# Altium PCB Spectre-Analyzer.PcbDoc (part 2 of 2)
Units mm, origin at the board's own origin, x right, y up, seen from the top; angles counter-clockwise.
Board outline 60 x 40 mm, 4 copper layers (Top Layer, Inner Layer 1, Inner Layer 2, Bottom Layer), stack 1.59 mm thick; 127 components, 98 nets, 407 pads, 193 vias.
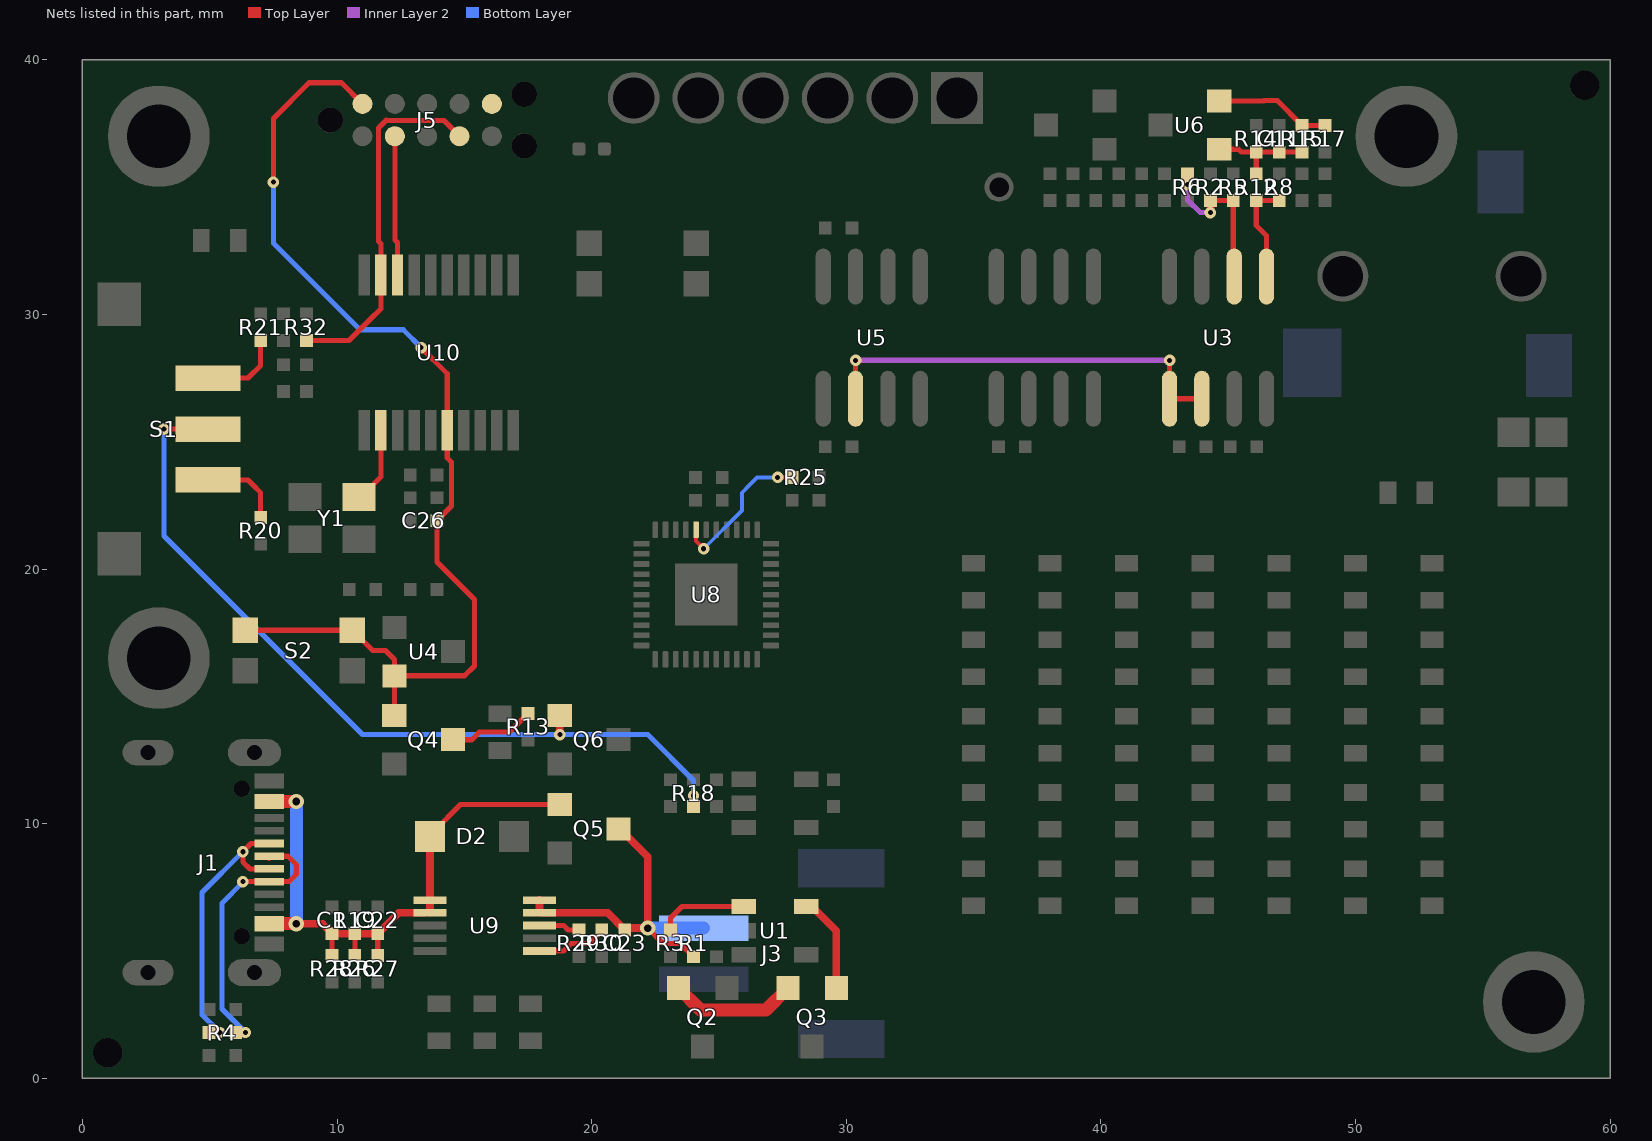
[diagram p4: the nets of this part, all layers, seen from the top]

## Via types
v1: diameter 0.45, hole 0.2, Top Layer to Bottom Layer, tented both sides, 184 vias
v2: diameter 0.6, hole 0.3, Top Layer to Bottom Layer, tented both sides, 9 vias

## Nets (pads, with @x,y where several pads share a name; then routed paths per layer and width w, separated by ;. In a path a pad name is that pad's centre, name@x,y a point inside that pad or via, vN(x,y) a via of type N, cw(c..) or ccw(c..) an arc to the next point about the centre after c; other vN are vias at no path point) (continued)
NetQ3_1: Q3.1 U1.5 | length 3.7
  Top Layer w0.305: U1.5@28.6,6.8 29.609,5.791 Q3.1@29.609,3.545
NetQ4_2: Q4.2 R13.2 | length 3.4
  Top Layer w0.203: Q4.2@14.55,13.3 15.3,13.3 15.6,13.6 16.775,13.6 R13.2@17.5,14.325
NetQ6_1: Q6.1 R18.1 S1.2 | length 31.7
  Top Layer w0.203: v1(3.2,25.5) S1.2@4.3,25.5
  Top Layer w0.305: v1(18.75,13.5) 18.75,14.05 Q6.1@18.8,14.1 ; R18.1@24,10.7 v1(24,11.1)
  Bottom Layer w0.203: v1(3.2,25.5) 3.2,21.3 11,13.5 v1(18.75,13.5) 22.2,13.5 24,11.7 v1(24,11.1)
NetR2_2: R2.2 R5.2 R6.1 U3.6 | length 5.5
  Top Layer w0.203: R2.2@44.3,34.475 R5.2@45.175,34.475 ; U3.6@45.2,32 R5.2@45.2,34.475
  Top Layer w0.305: v1(44.3,34) R2.2@44.3,34.4
  Inner Layer 2 w0.203: v1(43.4,35.1) 43.4,34.5 43.9,34 v1(44.3,34)
NetR3_1: R3.1 U1.1 | length 3.7
  Top Layer w0.203: R3.1@23.1,5.7 R3.1@23.1,5.825 23.1,6.3 23.55,6.75 U1.1@25.975,6.75
NetR8_2: R8.2 R12.2 U3.5 | length 4.1
  Top Layer w0.203: U3.5@46.505,31.49 46.505,33.095 46.1,33.5 R12.2@46.1,34.475 46.975,34.475 R8.2@47,34.5
NetR15_2: R15.2 R17.1 U6.2 | length 4.6
  Top Layer w0.203: U6.2@44.645,38.391 46.4,38.391 ; 46.4,38.4 46.925,38.4 R15.2@47.9,37.425 48.775,37.425 R17.1@48.8,37.4
NetR20_1: R20.1 S1.1 | length 3.3
  Top Layer w0.203: S1.1@4.925,23.5 6.5,23.5 6.7,23.3 7,23 R20.1@7,22.025
NetR21_1: R21.1 S1.3 | length 3.2
  Top Layer w0.203: S1.3@4.925,27.5 6.5,27.5 7,28 R21.1@7,28.9
NetR25_1: R25.1 U8.40 | length 5.9
  Top Layer w0.152: U8.40@24.1,21.545 24.1,21.1 v1(24.4,20.8) ; v1(27.3,23.6) R25.1@27.875,23.6 R25.1@27.9,23.6
  Bottom Layer w0.152: v1(24.4,20.8) 25.9,22.3 25.9,23 26.2,23.3 26.5,23.6 v1(27.3,23.6)
NetR29_2: R29.2 U9.8 | length 1.6
  Top Layer w0.203: U9.8@17.95,6 18.9,6 19.075,5.825 R29.2@19.5,5.825
NetR30_1: R30.1 U9.6 | length 2.8
  Top Layer w0.203: U9.6@17.95,5 18.9,5 19.2,5.3 19.9,5.3 R30.1@20.4,5.8
NetU3_1: U3.1 U3.2 U5.2 | length 16.4
  Top Layer w0.203: U5.2@30.365,26.265 U5.2@30.4,26.3 ; U5.2@30.365,26.69 30.365,28.165 v1@30.4,28.2 ; U3.1@42.6,27 42.695,27.095 v1(42.695,28.2) ; U3.1@42.7,26.7 42.71,26.69 U3.2@43.965,26.69
  Inner Layer 2 w0.203: v1(30.365,28.2) v1(42.695,28.2)
  Bottom Layer w0.203: v1(42.695,28.2) v1@42.7,28.2
NetU10_2: U10.2 Y1.3 | length 2.9
  Top Layer w0.203: Y1.3@11,22.9 11.725,23.625 U10.2@11.725,25.45
NRST: C26.2 J5.10 Q4.1 S2.2 U4.2 U10.6 | length 42.4
  Top Layer w0.203: S2.2@6.4,17.6 S2.2@10.6,17.6 11.4,16.8 11.9,16.8 12.255,16.445 U4.2@12.255,15.809 ; v1(7.5,35.2) 7.5,37.7 8.9,39.1 10.17,39.1 J5.10@11,38.27 ; Q4.1@12.25,14.25 12.25,15.65 U4.2@12.3,15.7 ; U4.2@12.3,15.809 15.009,15.809 15.4,16.2 15.4,18.8 13.925,20.275 C26.2@13.925,21.9 14.5,22.475 14.5,24.2 14.325,24.375 U10.6@14.325,25.45 14.325,27.675 v1(13.3,28.7)
  Bottom Layer w0.203: v1(7.5,35.2) 7.5,32.8 10.9,29.4 12.6,29.4 v1(13.3,28.7)
SWCLK: J5.4 R32.2 U10.19 | length 14.3
  Top Layer w0.203: R32.2@8.8,28.975 10.475,28.975 11.3,29.8 11.725,30.225 U10.19@11.725,31.55 11.725,32.775 11.625,32.875 11.625,35.45 ; 11.622,35.45 11.622,37.322 11.922,37.622 ; 11.925,37.625 11.922,37.622 ; J5.4@14.81,36.91 J5.4@14.9,37 ; J5.4@14.81,37 14.81,37.015 14.203,37.622 11.922,37.622
SWDIO: J5.2 U10.18 | length 5.4
  Top Layer w0.203: J5.2@12.3,36.9 12.27,36.87 12.27,32.93 12.375,32.825 U10.18@12.375,31.55
SWO: J5.6
USB_N: J1.A7 J1.B7 R4.1 | length 11.2
  Top Layer w0.203: J1.A7@7.333,8.225 6.575,8.225 6.3,8.5 v1(6.3,8.9) 6.625,9.225 J1.B7@7.333,9.225
  Top Layer w0.305: R4.1@5,1.8 v1(5.4,1.8)
  Bottom Layer w0.203: v1(5.4,1.8) 4.7,2.5 4.7,7.3 v1(6.3,8.9)
USB_P: J1.A6 J1.B6 R4.2 | length 10.7
  Top Layer w0.203: v1(6.3,7.725) 7.075,7.725 J1.B6@7.1,7.7 ; J1.B6@7.333,7.725 8.125,7.725 8.4,8 8.4,8.4 8.075,8.725 J1.A6@7.333,8.725 ; J1.A6@7.333,8.633 J1.A6@7.4,8.7
  Top Layer w0.305: R4.2@6,1.8 R4.2@6.025,1.8 v1(6.4,1.8)
  Bottom Layer w0.203: v1@6.3,7.7 5.479,6.879 5.479,2.721 v1(6.4,1.8)
VBAT: C23.2 J3.1 Q5.2 R1.1 U9.9 U9.10 | length 13.5
  Top Layer w0.203: v2(22.2,5.9) 22.8,5.3 23.475,5.3 R1.1@24,4.775
  Top Layer w0.305: U9.10@17.95,7 17.95,6.55 18,6.5 20.625,6.5 C23.2@21.3,5.825 ; C23.2@21.3,5.9 v2(22.2,5.9) 22.2,8.7 Q5.2@21.3,9.6
  Bottom Layer w0.508: v2(22.2,5.9) J3.1@24.4,5.9
VBUS: C1.2 C22.2 D2.1 J1.A4_B9 J1.B4_A9 Q5.1 R19.2 R26.1 R27.1 R28.1 U9.1 U9.2 | length 23.7
  Top Layer w0.203: R28.1@9.8,4.825 C1.2@9.8,5.6 ; R26.1@10.7,4.825 R19.2@10.7,5.6 ; R27.1@11.6,4.825 C22.2@11.6,5.6 ; D2.1@13.649,9.5 13.675,9.474 D2.1@14.025,9.125 ; D2.1@13.8,9.7 14.85,10.75 Q5.1@18.75,10.75
  Top Layer w0.305: v2(8.4,6.075) 9.425,6.075 C1.2@9.8,5.7 ; C1.2@9.8,5.675 10.675,5.675 R19.2@10.7,5.7 ; R19.2@10.7,5.675 11.575,5.675 C22.2@11.6,5.7 ; C22.2@11.6,5.675 12.425,6.5 U9.2@13.4,6.5 ; U9.2@13.65,6.5 13.65,6.95 U9.1@13.7,7 ; U9.1@13.65,7 13.65,9.45 13.675,9.474 D2.1@13.7,9.5
  Top Layer w0.508: J1.B4_A9@7.333,6.075 8.375,6.075 v2@8.4,6.1 ; J1.A4_B9@7.333,10.875 v2@8.375,10.875
  Bottom Layer w0.508: v2(8.4,6.075) v2(8.4,10.875) v2@8.4,10.9
VD: Q2.2 Q3.2 | length 5
  Top Layer w0.508: Q2.2@23.409,3.545 24.265,2.689 26.853,2.689 Q3.2@27.709,3.545
VREF: C11.2 R12.1 R14.2 R15.1 U6.1 | length 4
  Top Layer w0.203: U6.1@44.645,36.491 45.409,36.491 45.525,36.375 R14.2@46.1,36.375 ; R12.1@46.1,35.525 R14.2@46.1,36.3 ; R14.2@46.1,36.4 46.125,36.375 C11.2@47,36.375 ; C11.2@47.1,36.3 47.175,36.375 R15.1@47.9,36.375
pads on no net: J1. J1.A8 J1.B8 J2. J2.2 J3.S1 J3.S2 J5. J5.7 J5.8 J5.9 S1.4 S1.5 U10.15 U10.16 U10.17 Y1.1

## Polygon pours and split planes (outlines as drawn)
GND on Top Layer "Top_GND" (solid, remove dead copper, pour order 4): 0,0 60,0 60,40 0,40
+3.3V on Top Layer "Top Layer-+3.3V" (solid, remove dead copper, pour order 2): 60,0 60,24 31,24 31,0
+3.3V on Inner Layer 2 "PWR_Plane" (solid, remove dead copper, pour order 3): 0,0 60,0 60,40 0,40
GND on Bottom Layer "Bottom_GND" (solid, remove dead copper, pour order 5): 0,0 60,0 60,40 0,40
GND on Inner Layer 1 "GND_Plane" (solid, pour order 6): 0,0 60,0 60,40 0,40

## Keep-outs
Top Layer:
  circle w0.2: c57,3 r2.05
  circle w0.2: c3,16.5 r2.05
  circle w0.2: c3,37 r2.05
  circle w0.2: c52,37 r2.05
  circle w0.127: c57,37.997 r1.092
  circle w0.127: c3,1.997 r1.092
Bottom Layer:
  circle w0.2: c3,16.5 r2.05
  circle w0.2: c3,37 r2.05
  circle w0.2: c52,37 r2.05
  circle w0.2: c57,3 r2.05
  circle w0.127: c3,1.997 r1.092
  circle w0.127: c57,37.997 r1.092

## Other copper
Top Layer:
  pour cut-out: 19.1,33.7 24.9,33.7 24.9,30.4 24.9,30.3 19.1,30.3
  region: 57.21,38.778 57.218,38.759 57.218,38.215 57.762,38.215 57.781,38.207 57.789,38.187 57.789,37.806 57.781,37.787 57.762,37.779 57.218,37.779 57.218,37.235 57.21,37.216 57.191,37.208 56.81,37.208 56.79,37.216 56.782,37.235 56.782,37.779 56.238,37.779 56.219,37.787 56.211,37.806 56.211,38.187 56.219,38.207 56.238,38.215 56.786,38.215 56.782,38.759 56.786,38.769 56.79,38.778 56.8,38.782 56.809,38.786 56.81,38.786 57.191,38.786
  region: 3.21,2.778 3.218,2.759 3.218,2.215 3.762,2.215 3.781,2.207 3.789,2.187 3.789,1.806 3.781,1.787 3.762,1.779 3.218,1.779 3.218,1.235 3.21,1.216 3.191,1.208 2.81,1.208 2.79,1.216 2.782,1.235 2.782,1.779 2.238,1.779 2.219,1.787 2.211,1.806 2.211,2.187 2.219,2.207 2.238,2.215 2.786,2.215 2.782,2.759 2.786,2.769 2.79,2.778 2.8,2.782 2.809,2.786 2.81,2.786 3.191,2.786
Bottom Layer:
  region: 3.21,2.778 3.218,2.759 3.218,2.215 3.762,2.215 3.781,2.207 3.789,2.187 3.789,1.806 3.781,1.787 3.762,1.779 3.218,1.779 3.218,1.235 3.21,1.216 3.191,1.208 2.81,1.208 2.79,1.216 2.782,1.235 2.782,1.779 2.238,1.779 2.219,1.787 2.211,1.806 2.211,2.187 2.219,2.207 2.238,2.215 2.786,2.215 2.782,2.759 2.786,2.769 2.79,2.778 2.8,2.782 2.809,2.786 2.81,2.786 3.191,2.786
  region: 57.21,38.778 57.218,38.759 57.218,38.215 57.762,38.215 57.781,38.207 57.789,38.187 57.789,37.806 57.781,37.787 57.762,37.779 57.218,37.779 57.218,37.235 57.21,37.216 57.191,37.208 56.81,37.208 56.79,37.216 56.782,37.235 56.782,37.779 56.238,37.779 56.219,37.787 56.211,37.806 56.211,38.187 56.219,38.207 56.238,38.215 56.786,38.215 56.782,38.759 56.786,38.769 56.79,38.778 56.8,38.782 56.809,38.786 56.81,38.786 57.191,38.786

## Silkscreen, mask and mechanical layers (free items; w line width, h text height)
Top Overlay:
  drawing of 239 lines, arcs and shapes, not listed
  text "GND" at 32.7,34.6 h0.76
  text "ST-Link" at 11.5,33.9 h1.14
  text "Gain" at 19.9,28.7 h1.14
  text "RESET" at 6.2,13.8 h1.02
Bottom Overlay:
  rectangle: 25.82,23.216 28.614,23.978
  rectangle: 25.82,21.184 28.614,21.946
  rectangle: 25.82,19.152 28.614,19.914
  rectangle: 9.564,23.216 12.358,23.978
  rectangle: 9.564,21.184 12.358,21.946
  rectangle: 9.564,19.152 12.358,19.914
  rectangle: 17.692,21.184 20.486,21.946
  rectangle: 17.692,19.152 20.486,19.914
  rectangle: 25.82,22.2 28.614,22.962
  rectangle: 25.82,20.168 28.614,20.93
  rectangle: 9.564,24.232 12.358,24.994
  rectangle: 9.564,22.2 12.358,22.962
  rectangle: 17.692,22.2 20.486,22.962
  rectangle: 9.564,20.168 12.358,20.93
  rectangle: 17.692,20.168 20.486,20.93
  rectangle: 30.138,21.184 32.932,21.946
  rectangle: 30.138,19.152 32.932,19.914
  rectangle: 21.756,21.184 24.55,21.946
  rectangle: 21.756,19.152 24.55,19.914
  rectangle: 13.628,19.152 16.422,19.914
  rectangle: 5.5,19.152 8.294,19.914
  rectangle: 5.5,21.184 8.294,21.946
  rectangle: 30.138,22.2 32.932,22.962
  rectangle: 30.138,20.168 32.932,20.93
  rectangle: 21.756,20.168 24.55,20.93
  rectangle: 13.628,20.168 16.422,20.93
  rectangle: 5.5,20.168 8.294,20.93
  text "GND" at 21,33.577 h1.22 r270
  text "SPI_SDI" at 31.2,29.311 h1.22 r270
  text "SPI_SCK" at 28.7,28.905 h1.22 r270
  text "SPI_NSS" at 33.8,28.905 h1.22 r270
  text "MSG_CLK" at 23.6,28.702 h1.22 r270
  text "MSG_RST" at 26.2,28.702 h1.22 r270
  text "KJK 10/30/2022" at 59,26 h1.52 r90
  text ".DocNumber" at 32.9,16.6 h1.52
  text ".Rev" at 15.5,16.5 h1.52
  text "Rev" at 21,16.5 h1.52
  text ".Title1" at 32.9,14.6 h1.22
  text "Designed by Kyler Kidd" at 32.9,12.1 h2.03
  text "JLCJLCJLCJLC" at 48.26,1.524 h0.8
Top Solder:
  circle w0.254: c57.004,37.997 r1.001
  circle w0.254: c3.004,1.997 r1.001
  rectangle: 56.054,37.572 57.929,38.447
  rectangle: 56.579,36.972 57.379,39.022
  rectangle: 56.229,38.422 57.779,38.797
  rectangle: 56.204,37.197 57.779,37.597
  rectangle: 2.054,1.572 3.929,2.447
  rectangle: 2.579,0.972 3.379,3.022
  rectangle: 2.229,2.422 3.779,2.797
  rectangle: 2.204,1.197 3.779,1.597
  region: 57.21,38.778 57.218,38.759 57.218,38.215 57.762,38.215 57.781,38.207 57.789,38.187 57.789,37.806 57.781,37.787 57.762,37.779 57.218,37.779 57.218,37.235 57.21,37.216 57.191,37.208 56.81,37.208 56.79,37.216 56.782,37.235 56.782,37.779 56.238,37.779 56.219,37.787 56.211,37.806 56.211,38.187 56.219,38.207 56.238,38.215 56.786,38.215 56.782,38.759 56.786,38.769 56.79,38.778 56.8,38.782 56.809,38.786 56.81,38.786 57.191,38.786
  region: 3.21,2.778 3.218,2.759 3.218,2.215 3.762,2.215 3.781,2.207 3.789,2.187 3.789,1.806 3.781,1.787 3.762,1.779 3.218,1.779 3.218,1.235 3.21,1.216 3.191,1.208 2.81,1.208 2.79,1.216 2.782,1.235 2.782,1.779 2.238,1.779 2.219,1.787 2.211,1.806 2.211,2.187 2.219,2.207 2.238,2.215 2.786,2.215 2.782,2.759 2.786,2.769 2.79,2.778 2.8,2.782 2.809,2.786 2.81,2.786 3.191,2.786
Bottom Solder:
  circle w0.254: c3.004,1.997 r1.001
  circle w0.254: c57.004,37.997 r1.001
  rectangle: 2.579,0.972 3.379,3.022
  rectangle: 2.204,1.197 3.779,1.597
  rectangle: 2.229,2.422 3.779,2.797
  rectangle: 2.054,1.572 3.929,2.447
  rectangle: 56.054,37.572 57.929,38.447
  rectangle: 56.229,38.422 57.779,38.797
  rectangle: 56.204,37.197 57.779,37.597
  rectangle: 56.579,36.972 57.379,39.022
  region: 3.21,2.778 3.218,2.759 3.218,2.215 3.762,2.215 3.781,2.207 3.789,2.187 3.789,1.806 3.781,1.787 3.762,1.779 3.218,1.779 3.218,1.235 3.21,1.216 3.191,1.208 2.81,1.208 2.79,1.216 2.782,1.235 2.782,1.779 2.238,1.779 2.219,1.787 2.211,1.806 2.211,2.187 2.219,2.207 2.238,2.215 2.786,2.215 2.782,2.759 2.786,2.769 2.79,2.778 2.8,2.782 2.809,2.786 2.81,2.786 3.191,2.786
  region: 57.21,38.778 57.218,38.759 57.218,38.215 57.762,38.215 57.781,38.207 57.789,38.187 57.789,37.806 57.781,37.787 57.762,37.779 57.218,37.779 57.218,37.235 57.21,37.216 57.191,37.208 56.81,37.208 56.79,37.216 56.782,37.235 56.782,37.779 56.238,37.779 56.219,37.787 56.211,37.806 56.211,38.187 56.219,38.207 56.238,38.215 56.786,38.215 56.782,38.759 56.786,38.769 56.79,38.778 56.8,38.782 56.809,38.786 56.81,38.786 57.191,38.786
Mechanical 1:
  lines w0.254: 0,40 60,40 60,0 35,0 0,0 0,40 ; 0,40 0,40
ASSY_TOP:
  drawing of 322 lines, arcs and shapes, not listed
  text "SH" at 401.173,299.933 h2.54
  text "DWG NO" at 326.021,299.518 h2.54
  text ".DocNumber" at 342.672,296.678 h3.05
  text "2" at -196.323,296.19 h5.08
  text "4" at 19.75,296.19 h5.08
  text "8" at 444.108,296.19 h5.08
  text "1" at -304.051,296.03 h5.08
  text "3" at -88.329,296.03 h5.08
  text "5" at 127.749,296.03 h5.08
  text "6" at 235.696,296.03 h5.08
  text "1" at 406.172,295.662 h3.05
  text "REVISION HISTORY" at 352.324,289.283 h2.54
  text "REV" at 327.94,283.216 h2.54
  text "DESCRIPTION" at 373.66,283.216 h2.54
  text "DATE" at 432.08,283.216 h2.54
  text "APPROVED" at 462.56,283.216 h2.54
  text ".Hist1Rev" at 328.845,278.615 h2.54
  text ".Hist1Desc" at 340.64,278.136 h2.54
  text ".Hist1Date" at 424.46,278.136 h2.54
  text ".Hist1Appr" at 454.94,278.136 h2.54
  text "NOTES" at -317.22,276.86 h10.16
  text ".Hist2Rev" at 328.845,273.002 h2.54
  text ".Hist2Desc" at 340.64,272.522 h2.54
  text ".Hist2Date" at 424.46,272.522 h2.54
  text ".Hist2Appr" at 454.94,272.522 h2.54
  text "1. DIMENSIONING AND TOLERANCING PER ASME Y14.5M-1994" at -317.22,269.24 h5.08
  text ".Hist3Rev" at 328.845,267.414 h2.54
  text ".Hist3Desc" at 340.64,266.934 h2.54
  text ".Hist3Date" at 424.46,266.934 h2.54
  text ".Hist3Appr" at 454.94,266.934 h2.54
  text "2. INTERPRET PER ASME Y14.100M" at -317.22,261.62 h5.08
  text "3. ASSEMBLE PER IPC-A-610, CLASS 2" at -317.22,254 h5.08
  text "4. SOLDER PER J-STD-001, CLASS 2. USE LEAD-FREE SOLDER" at -317.22,246.38 h5.08
  text "5. ALL PARTS SHOWN MAY NOT BE INSTALLED. FOR SCHEMATIC, SEE SEPARATE PARTS LIST" at -317.22,238.76 h5.08
  text "A" at -346.12,232.525 h5.08
  text "A" at 492.167,232.525 h5.08
  text "6. DATA INCLUDED IN PARENTHESIS IS FOR REFERENCE ONLY" at -317.22,231.14 h5.08
  text "7. FOR COMPONENTS WITH REFERENCE DESIGNATORS, REFER TO PARTS LIST BY REFERENCE DESIGNATION" at -317.22,223.52 h5.08
  text "8. ELECTROSTATIC DISCHARGE CONTROL PROGRAM FOR PROTECTION OF ELECTRICAL AND ELECTRONIC" at -317.22,215.9 h5.08
  text "PARTS, ASSEMBLIES, AND EQUIPMENT SHALL BE PER IPC-610 OR BETTER" at -317.22,208.28 h5.08
  text "9. THE PCB MATERIAL MANUFACTURER'S RECOMMENDATIONS FOR PCB MATERIAL STORAGE, PRE-PROCESS" at -317.22,200.66 h5.08
  text "BAKEOUT, PROCESSING AND MATERIAL HANDLING SHALL BE STRICTLY FOLLOWED DURING ALL ASSEMBLY" at -312.14,193.04 h5.08
  text "PROCESSES. DEVIATION FROM THESE STANDARDS REQUIRES WRITTEN AUTHORIZATION FROM OCEAN OPTICS, INC" at -312.14,185.42 h5.08
  text "10. MARK LAST 3 DIGITS OF DRAWING NUMBER (-XXX) IN A CLEAR AND LEGIBLE MANNER USING POLYIMIDE BRADY LABEL" at -319.76,177.8 h5.08
  text "11. MARK DOCUMENT REVISION IN A CLEAR AND LEGIBLE MANNER USING POLYIMIDE BRADY LABEL" at -319.76,170.18 h5.08
  text "12. ALL PROCESSES AND PROCEDURES SHALL BE ROHS COMPLIANT" at -319.76,162.56 h5.08
  text "13. COMPLETED CIRCUIT CARD ASSEMBLIES SHALL BE PACKAGED INDIVIDUALLY" at -319.76,154.94 h5.08
  text "IN STATIC SHIELDING PACKAGING IN ACCORDANCE WITH ANSI/ESD-S-20.20" at -312.14,147.32 h5.08
  text "B" at -346.17,92.665 h5.08
  text "B" at 492.117,92.665 h5.08
  text "Dimensions in mm" at 374,-38 h6.35
  text "Scale  3:1" at 269,-42 h12.7
  text "C" at -345.585,-46.808 h5.08
  text "C" at 492.701,-46.808 h5.08
  text "SEE SEPARATE PARTS LIST." at 223.546,-165.602 h10.16
  text "DFTG" at 264.44,-174.521 h2.54
  text ".NameDftg" at 277.648,-174.521 h2.54
  text ".DateDftg" at 317.272,-174.521 h2.54
  text "UNLESS OTHERWISE SPECIFIED," at 209.576,-178.839 h2.03
  text "MATERIAL:" at 146.406,-179.064 h2.54
  text "ENG" at 264.44,-181.125 h2.54
  text ".NameEng" at 277.648,-181.125 h2.54
  text ".DateEng" at 317.272,-181.125 h2.54
  text "INCHES" at 245.644,-182.366 h2.03
  text "DIMENSIONS ARE IN" at 209.576,-182.395 h2.03
  text "D" at -345.838,-186.507 h5.08
  text "D" at 492.449,-186.507 h5.08
  text "MECH" at 264.44,-186.713 h2.54
  text "*" at 277.648,-187.221 h2.54
  text "*" at 317.272,-187.221 h2.54
  text "TITLE:" at 356.25,-189.253 h2.54
  text "TOLERANCES:" at 209.576,-190.269 h2.54
  text "SEE NOTES" at 148.235,-192.272 h2.54
  text "MFG" at 264.44,-193.317 h2.54
  text "*" at 277.648,-193.317 h2.54
  text "*" at 317.272,-193.825 h2.54
  text ".X +/- 0.1" at 210.592,-194.841 h2.54
  text ".XX +/- 0.01" at 210.592,-197.889 h2.54
  text ".TitleCCA" at 362.865,-198.241 h5.59
  text ".XXX +/- 0.001" at 210.592,-200.937 h2.54
  text ".Title0" at 382.41,-207.73 h5.59
  text "THIRD ANGLE PROJECTION" at 147.854,-212.491 h2.54
  text "ALL SHEETS ARE THE" at 214.148,-216.589 h2.54
  text ".Title1" at 367.31,-217.17 h5.59
  text "SAME REVISION STATUS" at 211.799,-221.161 h2.54
  text "SIZE" at 356.388,-224.305 h2.54
  text "DRAWING NUMBER" at 366.04,-224.305 h2.54
  text "REV" at 473.112,-225.855 h3.05
  text "D" at 356.43,-232.146 h5.08
  text ".DocNumber" at 366.04,-232.404 h6.6
  text ".Rev" at 472.72,-232.404 h5.08
  text "1" at 457.48,-237.484 h2.54
  text "2" at 472.72,-237.484 h2.54
  text "1:1" at 369.85,-237.738 h2.54
  text "SCALE" at 355.824,-237.913 h2.54
  text "SHEET   OF" at 441.731,-238.128 h2.54
  text "8" at 449.606,-248.66 h5.08
  text "1" at -303.885,-248.914 h5.08
  text "2" at -196.323,-249.908 h5.08
  text "4" at 19.75,-249.908 h5.08
  text "3" at -88.329,-250.068 h5.08
  text "5" at 127.749,-250.068 h5.08
  text "6" at 235.696,-250.068 h5.08
  text "7" at 343.67,-250.068 h5.08
Drill Drawing:
  lines w0.381: -277.048,-180.334 -277.048,-172.714 ; -259.323,-180.334 -259.323,-172.714 ; -225.145,-180.334 -225.145,-172.714 ; -212.296,-180.334 -212.296,-172.714 ; -291.04,-180.334 -192.514,-180.334 -192.514,-172.714 -291.04,-172.714 -291.04,-180.334 ; -291.04,-176.524 -192.514,-176.524 -291.04,-176.524
  text "Symbol" at -288.754,-175.381 h1.83
  text "Hit Count" at -275.905,-175.381 h1.83
  text "Finished Hole Size" at -258.18,-175.381 h1.83
  text "Plated" at -224.002,-175.381 h1.83
  text "Hole Type" at -211.153,-175.381 h1.83
ASSY_BOT:
  lines w0.198: -327.242,282.708 -167.527,282.708 ; -327.242,287.788 -167.527,287.788 ; -294.146,282.835 -294.141,293.373 ; -261.507,282.327 -261.507,293.376 ; -180.227,276.993 -180.227,293.376 ; -352.78,-252.527 -352.78,306.076 ; -352.78,-252.527 510.653,-252.527 ; -352.78,-252.527 510.653,-252.527 ; -352.78,-252.527 -352.78,306.076 ; -352.78,306.076 510.653,306.076 ; -352.78,306.076 510.653,306.076 ; 510.653,-252.527 510.653,306.076 ; 510.653,-252.527 510.653,306.076
  lines w0.599: -346.612,-106.677 -327.562,-106.677 ; -346.612,166.372 -327.562,166.372 ; -327.562,293.371 -327.562,-240.027 ; -327.562,-220.977 -197.514,-220.977 ; -312.551,-233.677 -312.551,-220.977 ; -283.112,-240.027 -283.112,-233.677 ; -245.012,-249.552 -245.012,-240.027 ; -197.515,-239.897 -197.515,-221.358 ; -167.649,276.358 -167.649,293.373 ; -137.063,-249.552 -137.063,-240.027 ; -137.063,293.371 -137.063,302.896 ; -29.113,-249.552 -29.113,-240.027 ; -29.113,293.371 -29.113,302.896 ; 186.787,-249.552 186.787,-240.027 ; 186.787,293.371 186.787,302.896 ; 294.737,-249.552 294.737,-240.027 ; 402.686,-249.552 402.686,-240.027 ; 402.686,293.371 402.686,302.896 ; 485.236,166.372 504.286,166.372 ; 485.236,293.373 -327.575,293.373 ; 485.871,-106.677 504.921,-106.677 ; -327.575,293.373 -327.575,272.896 -327.575,293.373 ; -327.562,-240.027 485.236,-240.027 ; -327.562,-240.027 485.236,-240.027 ; -327.562,-240.027 485.236,-240.027 ; -327.562,-240.027 485.236,-240.027 ; -327.562,-233.677 -197.514,-233.677 ; -327.562,-233.677 -197.514,-233.677 ; -327.562,-233.677 -197.514,-233.677 ; -327.562,-233.677 -197.514,-233.677 ; -255.172,293.371 -255.172,303.023 ; -255.172,293.371 -255.172,303.023 ; -255.172,293.371 -255.172,303.023 ; -255.172,293.371 -255.172,303.023 ; -255.172,293.371 -255.172,303.023 ; -255.172,293.371 -255.172,303.023 ; -255.172,293.371 -255.172,303.023 ; -255.172,293.371 -255.172,303.023 ; -255.172,303.023 -167.629,303.023 ; -255.172,303.023 -172.622,303.023 -255.172,303.023 ; -255.172,303.023 -167.629,303.023 ; -242.472,293.371 -242.472,303.023 ; -242.472,293.371 -242.472,303.023 ; -242.472,293.371 -242.472,303.023 ; -242.472,293.371 -242.472,303.023 ; -167.629,303.023 -167.629,293.371 -167.629,303.023 ; 294.737,293.371 294.737,302.896 ; 294.737,293.371 294.737,302.896 ; 294.737,293.371 294.737,302.896 ; 294.737,293.371 294.737,302.896 ; 485.236,-240.027 485.236,285.548 485.236,-240.027 ; 485.236,-240.027 485.236,293.371 ; 485.236,-240.027 485.236,293.371 ; 485.236,-240.027 485.236,293.371 ; -337.722,25.91 -337.722,27.434 -332.642,27.434 -332.642,29.212 -327.562,26.672 -332.642,24.132 -332.642,25.91 -337.722,25.91 ; 76.297,-245.107 78.837,-240.027 81.377,-245.107 79.599,-245.107 79.599,-250.187 78.075,-250.187 78.075,-245.107 76.297,-245.107 ; 76.297,298.451 78.837,293.371 81.377,298.451 79.599,298.451 79.599,303.53 78.075,303.53 78.075,298.451 76.297,298.451 ; 485.236,26.672 490.316,24.132 490.316,25.91 495.396,25.91 495.396,27.434 490.316,27.434 490.316,29.212 485.236,26.672
  text "SH" at -243.3,299.933 h2.54
  text "DWG NO" at -168.148,299.518 h2.54
  text ".DocNumber" at -184.799,296.678 h3.05
  text "8" at -286.235,296.19 h5.08
  text "4" at 138.123,296.19 h5.08
  text "2" at 354.196,296.19 h5.08
  text "6" at -77.823,296.03 h5.08
  text "5" at 30.124,296.03 h5.08
  text "3" at 246.202,296.03 h5.08
  text "3" at 246.202,296.03 h5.08
  text "1" at 461.924,296.03 h5.08
  text "1" at -248.299,295.662 h3.05
  text "REVISION HISTORY" at -194.451,289.283 h2.54
  text "APPROVED" at -304.687,283.216 h2.54
  text "DATE" at -274.207,283.216 h2.54
  text "DESCRIPTION" at -215.787,283.216 h2.54
  text "REV" at -170.067,283.216 h2.54
  text "SEE SHEET 1" at -182.767,278.136 h2.54
  text "A" at -334.294,232.525 h5.08
  text "A" at 503.993,232.525 h5.08
  text "B" at -334.244,92.665 h5.08
  text "B" at 504.043,92.665 h5.08
  text "Scale  3:1" at 317.36,-41.12 h12.7
  text "C" at -334.828,-46.808 h5.08
  text "C" at 503.458,-46.808 h5.08
  text "D" at -334.576,-186.507 h5.08
  text "D" at 503.711,-186.507 h5.08
  text "REV" at -315.239,-225.855 h3.05
  text ".DocNumber" at -203.722,-231.134 h5.08
  text ".Rev" at -314.847,-232.404 h5.08
  text "2" at -314.847,-237.484 h2.54
  text "SHEET 2 OF" at -283.858,-238.128 h2.54
  text "8" at -291.733,-248.66 h5.08
  text "1" at 461.925,-248.914 h5.08
  text "4" at 138.123,-249.908 h5.08
  text "2" at 354.196,-249.908 h5.08
  text "7" at -185.797,-250.068 h5.08
  text "6" at -77.823,-250.068 h5.08
  text "5" at 30.124,-250.068 h5.08
  text "3" at 246.202,-250.068 h5.08
PCB_SHEET1:
  drawing of 845 lines, arcs and shapes, not listed
  text "SH" at 401.173,299.927 h2.54
  text "DWG NO" at 326.021,299.513 h2.54
  text "DWG NO" at 326.021,299.518 h2.54
  text ".DocNumberPCB" at 342.672,296.672 h3.05
  text "2" at -196.323,296.184 h5.08
  text "4" at 19.75,296.184 h5.08
  text "8" at 444.108,296.184 h5.08
  text "1" at -304.051,296.024 h5.08
  text "3" at -88.329,296.024 h5.08
  text "5" at 127.749,296.024 h5.08
  text "6" at 235.696,296.024 h5.08
  text "1" at 406.172,295.656 h3.05
  text "REVISION HISTORY" at 352.324,289.278 h2.54
  text "REV" at 327.94,283.21 h2.54
  text "DESCRIPTION" at 373.66,283.21 h2.54
  text "DATE" at 432.08,283.21 h2.54
  text "APPROVED" at 462.56,283.21 h2.54
  text "11" at 30.76,279.4 h5.08
  text "5" at 40.412,279.4 h5.08
  text ".Hist1Rev" at 328.845,278.61 h2.54
  text "LAYER STACKUP:" at 50.572,278.13 h10.16
  text ".Hist1Desc" at 340.64,278.13 h2.54
  text ".Hist1Date" at 424.46,278.13 h2.54
  text ".Hist1Appr" at 454.94,278.13 h2.54
  text "NOTES" at -317.22,276.86 h10.16
  text ".Hist2Rev" at 328.845,273.047 h2.54
  text ".Hist2Desc" at 340.64,272.567 h2.54
  text ".Hist2Date" at 424.46,272.567 h2.54
  text ".Hist2Appr" at 454.94,272.567 h2.54
  text "1. UNLESS OTHERWISE SPECIFIED, DIMENSIONS, TOLERANCES, AND SURFACE TEXTURE APPLY" at -317.22,269.24 h5.08
  text "Layer" at 30.752,268.694 h1.52
  text "Name" at 41.266,268.694 h1.52
  text "Material" at 64.983,268.694 h1.52
  text "Thickness" at 86.922,268.694 h1.52
  text "Constant" at 103.53,268.694 h1.52
  text "Board Layer Stack" at 118.106,268.694 h1.52
  text ".Hist3Rev" at 328.845,267.434 h2.54
  text ".Hist3Desc" at 340.64,266.954 h2.54
  text ".Hist3Date" at 424.46,266.954 h2.54
  text ".Hist3Appr" at 454.94,266.954 h2.54
  text "1" at 30.752,265.646 h1.52
  text "Top Overlay" at 41.266,265.646 h1.52
  text "2" at 30.752,262.598 h1.52
  text "Top Solder" at 41.266,262.598 h1.52
  text "Solder Resist" at 64.983,262.598 h1.52
  text "0.40mil" at 86.922,262.598 h1.52
  text "3.5" at 103.53,262.598 h1.52
  text "AFTER PLATING OR CHEMICAL FILM TREATMENTS, AND PRIOR TO ORGANIC COATINGS." at -312.14,261.62 h5.08
  text "3" at 30.752,259.55 h1.52
  text "Top Layer" at 41.266,259.55 h1.52
  text "Copper" at 64.983,259.55 h1.52
  text "1.40mil" at 86.922,259.55 h1.52
  text "4" at 30.752,256.502 h1.52
  text "Prepreg 1" at 41.266,256.502 h1.52
  text "FR-4" at 64.983,256.502 h1.52
  text "8.20mil" at 86.922,256.502 h1.52
  text "4.2" at 103.53,256.502 h1.52
  text "2. DIMENSIONING AND TOLERANCING PER ASME Y14.5M-1994" at -317.22,254 h5.08
  text "5" at 30.752,253.454 h1.52
  text "Inner Layer 1" at 41.266,253.454 h1.52
  text "Copper" at 64.983,253.454 h1.52
  text "0.70mil" at 86.922,253.454 h1.52
  text "6" at 30.752,250.406 h1.52
  text "Core" at 41.266,250.406 h1.52
  text "42.00mil" at 86.922,250.406 h1.52
  text "4.2" at 103.53,250.406 h1.52
  text "7" at 30.752,247.358 h1.52
  text "Inner Layer 2" at 41.266,247.358 h1.52
  text "Copper" at 64.983,247.358 h1.52
  text "0.70mil" at 86.922,247.358 h1.52
  text "3. PARTS SHALL BE FREE OF BURRS AND SHARP EDGES. BREAK SHARP EDGES .005\" MAX" at -317.22,246.38 h5.08
  text "8" at 30.752,244.31 h1.52
  text "Prepreg 2" at 41.266,244.31 h1.52
  text "8.20mil" at 86.922,244.31 h1.52
  text "4.2" at 103.53,244.31 h1.52
  text "9" at 30.752,241.262 h1.52
  text "Bottom Layer" at 41.266,241.262 h1.52
  text "Copper" at 64.983,241.262 h1.52
  text "1.40mil" at 86.922,241.262 h1.52
  text "4. UNLESS OTHERWISE SPECIFIED, BOARD SHALL MEET THE REQUIREMENTS OF IPC-6011" at -317.22,238.76 h5.08
  text "10" at 30.752,238.214 h1.52
  text "Bottom Solder" at 41.266,238.214 h1.52
  text "Solder Resist" at 64.983,238.214 h1.52
  text "0.40mil" at 86.922,238.214 h1.52
  text "3.5" at 103.53,238.214 h1.52
  text "11" at 30.752,235.166 h1.52
  text "Bottom Overlay" at 41.266,235.166 h1.52
  text "A" at -346.12,232.519 h5.08
  text "A" at 492.167,232.519 h5.08
  text "CLASS 2, AND IPC-6012, TYPE 2." at -312.14,231.14 h5.08
  text "OVERALL HEIGHT = 0.xxx +/- 10%" at 22.759,226.574 h5.08
  text "5. MATERIAL: POLYCLAD 370HR OR EQUIVALENT IAW IPC-4101. THIS BOARD IS INTENDED FOR LEAD-FREE" at -317.22,223.52 h5.08
  text "TOP AND BOTTOM LAYER COPPER THICKNESS SPECIFIED AFTER PLATING" at 22.759,219.583 h5.08
  text "ASSEMBLY (RoHS COMPLIANT). FLAMMABILITY RATING OF 94V-0 OR BETTER REQUIRED. BOARD MUST BE UL" at -312.14,215.9 h5.08
  text "RECOGNIZED AND VENDOR SHALL AFFIX UL LISTING DESIGNATION ON PRINTED CIRCUIT BOARD." at -312.14,208.28 h5.08
  text "A. BASE LAMINATE: WOVEN GLASS BASED EPOXY RESIN." at -312.14,200.66 h5.08
  text "SEE STACK DETAIL FOR COPPER WEIGHT, SUBSTRATES, AND FINISHED BOARD THICKNESS" at -305.79,193.04 h5.08
  text "B. BONDING AGENT: PREIMPREGNATED B-STAGE EPOXY CLOTH (GF)" at -312.14,185.42 h5.08
  text "C. FINISH TO BE DONE USING IMMERSION GOLD (ENIG) 3-6 MICROINCHES OVER NICKEL 100 MICROINCHES MIN." at -312.14,177.8 h5.08
  text "FULL BODY IMMERSION GOLD ACCEPTED." at -305.79,170.18 h5.08
  text "D. SILKSCREEN TO BE DONE USING NON-CONDUCTIVE WHITE EPOXY INK. VENDOR MAY VIA CAP OR PLUG VIAS" at -312.14,162.56 h5.08
  text "BEFORE FINAL SOLDERMASK TO AVOID TRIMMING OF SILKSCREEN. SILKSCREEN INK NOT ALLOWED ON ANY" at -305.79,154.94 h5.08
  text "EXPOSED ETCH. VENDOR TO DETERMINE BEST PROCESS TO ENSURE THIS." at -305.79,147.32 h5.08
  text "E. SOLDERMASK OVER BARE COPPER FOLLOWED BY PLATING PER LAYER STACKUP." at -312.14,139.7 h5.08
  text "SOLDERMASK IS TO BE FREE OF SHADED AREAS, AND IS TO BE BLACK, TYPE B1, CLASS 2, IAW IPC-SM-840." at -305.79,132.08 h5.08
  text "6. FINAL TRACES WIDTHS AND LAND SIZES REPRESENTED BY ARTWORK. THE FINAL" at -317.22,124.46 h5.08
  text "CONDUCTOR WIDTH SHALL BE +/- 0.001\" OF THE ORIGINAL ARTWORK TRACE. THE PCB" at -312.14,116.84 h5.08
  text "MANUFACTURER IS DIRECTED TO INFLATE FEATURES IN THE SUPPLIED GERBER FILES, AS" at -312.14,109.22 h5.08
  text "NECESSARY, TO COMPENSATE FOR THE ETCHBACK IN THE PCB MANUFACTURER'S PROCESS." at -312.14,101.6 h5.08
  text "7. MANUFACTURER TO INSERT COMPANY LOGO AND DATE CODE IN BOTTOM SILKSCREEN," at -317.855,93.98 h5.08
  text "B" at -346.17,92.66 h5.08
  text "B" at 492.117,92.66 h5.08
  text "USING PREFERRED METHOD (NON-CONDUCTIVE)." at -312.14,86.36 h5.08
  text "8. UNLESS OTHERWISE SPECIFIED:" at -317.855,78.74 h5.08
  text "A. ALL HOLES TO BE CONCENTRIC WITH PAD CENTER WITHIN +/- 0.005\"." at -312.14,71.12 h5.08
  text "B. ALL HOLE DIAMETERS TO BE WITHIN +/- 0.003\" OF SPECIFIED DIAMETER." at -312.14,63.5 h5.08
  text "C. PLATED THROUGH HOLE DIAMETERS SPECIFIED AFTER PLATING." at -312.14,55.88 h5.08
  text "9. FABRICATE AND TEST BOARD, TYPE 2, CLASS 1, LEVEL A, PER IPC-D-275. VENDOR MUST USE IPC D 356 NETLIST" at -317.22,48.26 h5.08
  text "PROVIDED PRIOR TO BOARD FABRICATION AND REPORT ANY DISCREPANCIES WHEN COMPARED WITH THE GERBERS." at -312.14,40.64 h5.08
  text "10. INFORMATION IN PARENTHESIS IS FOR REFERENCE ONLY." at -317.22,33.02 h5.08
  text "11. MAINTAIN CONTROLLED IMPEDANCES:" at -317.517,24.676 h5.08
  text "A. HS-USB - Bottom Layer differential pair; 90 ohms differential impedance; Length differences < 25 mils" at -312.602,17.746 h5.08
  text "Trace Width = 15.0mils; Inside Gap = 6.3mils. (Microstrip Differential Pair)" at -306.431,10.445 h5.08
  text "12. VENDOR IS ALLOWED TO DO THE FOLLOWING:" at -318.198,2.304 h5.08
  text "A. FOLLOW BOARD OUTLINE FOR SIZE OF BOARD." at -312.602,-5.227 h5.08
  text "B. REMOVE INTERNAL NON FUNCTIONAL PADS." at -312.602,-12.758 h5.08
  text "C. ADD TEAR DROPPING" at -312.602,-20.289 h5.08
  text "D. REMOVE SOLDERMASK SLIVERS LESS THAN 0.003 TO ENHANCE PRODUCABILITY." at -312.602,-27.82 h5.08
  text "Scale  3:1" at 269.36,-41.12 h12.7
  text "C" at -345.585,-46.814 h5.08
  text "C" at 492.701,-46.814 h5.08
  text "DFTG" at 264.44,-174.526 h2.54
  text ".NameDftg" at 277.648,-174.526 h2.54
  text ".DateDftg" at 317.272,-174.526 h2.54
  text "UNLESS OTHERWISE SPECIFIED," at 209.576,-178.844 h2.03
  text "MATERIAL:" at 146.406,-179.07 h2.54
  text "ENG" at 264.44,-181.13 h2.54
  text ".NameEng" at 277.648,-181.13 h2.54
  text ".DateEng" at 317.272,-181.13 h2.54
  text "INCHES" at 245.644,-182.372 h2.03
  text "DIMENSIONS ARE IN" at 209.576,-182.4 h2.03
  text "D" at -345.838,-186.513 h5.08
  text "D" at 492.449,-186.513 h5.08
  text "MECH" at 264.44,-186.718 h2.54
  text "*" at 277.648,-187.226 h2.54
  text "*" at 317.272,-187.226 h2.54
  text "TITLE:" at 356.25,-189.258 h2.54
  text "TOLERANCES:" at 209.576,-190.274 h2.54
  text "SEE NOTES" at 148.235,-192.278 h2.54
  text "MFG" at 264.44,-193.322 h2.54
  text "*" at 277.648,-193.322 h2.54
  text "*" at 317.272,-193.83 h2.54
  text ".X +/- 0.1" at 210.592,-194.841 h2.54
  text ".XX +/- 0.01" at 210.592,-197.889 h2.54
  text ".TitlePCB" at 362.738,-198.12 h5.59
  text ".XXX +/- 0.005" at 210.592,-200.937 h2.54
  text ".Title0" at 382.46,-207.93 h5.59
  text "THIRD ANGLE PROJECTION" at 147.854,-212.496 h2.54
  text "ALL SHEETS ARE THE" at 214.148,-216.594 h2.54
  text ".Title1" at 367.31,-217.17 h5.59
  text "SAME REVISION STATUS" at 211.799,-221.166 h2.54
  text "SIZE" at 356.388,-224.31 h2.54
  text "DRAWING NUMBER" at 366.04,-224.31 h2.54
  text "REV" at 473.112,-225.861 h3.05
  text "D" at 356.43,-232.151 h5.08
  text ".DocNumberPCB" at 366.04,-232.41 h6.6
  text ".Rev" at 472.72,-232.41 h5.08
  text "1" at 457.48,-237.49 h2.54
  text "1" at 472.72,-237.49 h2.54
  text "1:1" at 369.85,-237.744 h2.54
  text "SCALE" at 355.824,-237.919 h2.54
  text "SHEET   OF" at 441.731,-238.134 h2.54
  text "8" at 449.606,-248.666 h5.08
  text "1" at -303.885,-248.92 h5.08
  text "2" at -196.323,-249.914 h5.08
  text "4" at 19.75,-249.914 h5.08
  text "3" at -88.329,-250.073 h5.08
  text "5" at 127.749,-250.073 h5.08
  text "6" at 235.696,-250.073 h5.08
  text "7" at 343.67,-250.073 h5.08
PCB_SHEET2:
  lines w0.198: -327.242,282.708 -167.527,282.708 ; -327.242,287.788 -167.527,287.788 ; -294.146,282.835 -294.141,293.373 ; -261.507,282.327 -261.507,293.376 ; -180.227,276.993 -180.227,293.376 ; -352.78,-252.527 -352.78,306.076 ; -352.78,-252.527 510.653,-252.527 ; -352.78,-252.527 510.653,-252.527 ; -352.78,-252.527 -352.78,306.076 ; -352.78,306.076 510.653,306.076 ; -352.78,306.076 510.653,306.076 ; 510.653,-252.527 510.653,306.076 ; 510.653,-252.527 510.653,306.076
  lines w0.599: -346.612,-106.677 -327.562,-106.677 ; -346.612,166.372 -327.562,166.372 ; -327.562,293.371 -327.562,-240.027 ; -327.562,-220.977 -197.514,-220.977 ; -312.551,-233.677 -312.551,-220.977 ; -283.112,-240.027 -283.112,-233.677 ; -245.012,-249.552 -245.012,-240.027 ; -197.515,-239.897 -197.515,-221.358 ; -167.649,276.358 -167.649,293.373 ; -137.063,-249.552 -137.063,-240.027 ; -137.063,293.371 -137.063,302.896 ; -29.113,-249.552 -29.113,-240.027 ; -29.113,293.371 -29.113,302.896 ; 186.787,-249.552 186.787,-240.027 ; 186.787,293.371 186.787,302.896 ; 294.737,-249.552 294.737,-240.027 ; 402.686,-249.552 402.686,-240.027 ; 402.686,293.371 402.686,302.896 ; 485.236,166.372 504.286,166.372 ; 485.236,293.373 -327.575,293.373 ; 485.871,-106.677 504.921,-106.677 ; -327.575,293.373 -327.575,272.896 -327.575,293.373 ; -327.562,-240.027 485.236,-240.027 ; -327.562,-240.027 485.236,-240.027 ; -327.562,-240.027 485.236,-240.027 ; -327.562,-240.027 485.236,-240.027 ; -327.562,-233.677 -197.514,-233.677 ; -327.562,-233.677 -197.514,-233.677 ; -327.562,-233.677 -197.514,-233.677 ; -327.562,-233.677 -197.514,-233.677 ; -255.172,293.371 -255.172,303.023 ; -255.172,293.371 -255.172,303.023 ; -255.172,293.371 -255.172,303.023 ; -255.172,293.371 -255.172,303.023 ; -255.172,293.371 -255.172,303.023 ; -255.172,293.371 -255.172,303.023 ; -255.172,293.371 -255.172,303.023 ; -255.172,293.371 -255.172,303.023 ; -255.172,303.023 -167.629,303.023 ; -255.172,303.023 -172.622,303.023 -255.172,303.023 ; -255.172,303.023 -167.629,303.023 ; -242.472,293.371 -242.472,303.023 ; -242.472,293.371 -242.472,303.023 ; -242.472,293.371 -242.472,303.023 ; -242.472,293.371 -242.472,303.023 ; -167.629,303.023 -167.629,293.371 -167.629,303.023 ; 294.737,293.371 294.737,302.896 ; 294.737,293.371 294.737,302.896 ; 294.737,293.371 294.737,302.896 ; 294.737,293.371 294.737,302.896 ; 485.236,-240.027 485.236,285.548 485.236,-240.027 ; 485.236,-240.027 485.236,293.371 ; 485.236,-240.027 485.236,293.371 ; 485.236,-240.027 485.236,293.371 ; -337.722,25.91 -337.722,27.434 -332.642,27.434 -332.642,29.212 -327.562,26.672 -332.642,24.132 -332.642,25.91 -337.722,25.91 ; 76.297,-245.107 78.837,-240.027 81.377,-245.107 79.599,-245.107 79.599,-250.187 78.075,-250.187 78.075,-245.107 76.297,-245.107 ; 76.297,298.451 78.837,293.371 81.377,298.451 79.599,298.451 79.599,303.53 78.075,303.53 78.075,298.451 76.297,298.451 ; 485.236,26.672 490.316,24.132 490.316,25.91 495.396,25.91 495.396,27.434 490.316,27.434 490.316,29.212 485.236,26.672
  text "SH" at -243.3,299.933 h2.54
  text "DWG NO" at -168.148,299.518 h2.54
  text ".DocNumberPCB" at -184.799,296.678 h3.05
  text "8" at -286.235,296.19 h5.08
  text "4" at 138.123,296.19 h5.08
  text "2" at 354.196,296.19 h5.08
  text "6" at -77.823,296.03 h5.08
  text "5" at 30.124,296.03 h5.08
  text "3" at 246.202,296.03 h5.08
  text "3" at 246.202,296.03 h5.08
  text "1" at 461.924,296.03 h5.08
  text "1" at -248.299,295.662 h3.05
  text "REVISION HISTORY" at -194.451,289.283 h2.54
  text "APPROVED" at -304.687,283.216 h2.54
  text "DATE" at -274.207,283.216 h2.54
  text "DESCRIPTION" at -215.787,283.216 h2.54
  text "REV" at -170.067,283.216 h2.54
  text "SEE SHEET 1" at -182.767,278.136 h2.54
  text "A" at -334.294,232.525 h5.08
  text "A" at 503.993,232.525 h5.08
  text "B" at -334.244,92.665 h5.08
  text "B" at 504.043,92.665 h5.08
  text "Scale  3:1" at 317.033,-41.16 h12.7
  text "C" at -334.828,-46.808 h5.08
  text "C" at 503.458,-46.808 h5.08
  text "D" at -334.576,-186.507 h5.08
  text "D" at 503.711,-186.507 h5.08
  text "REV" at -315.239,-225.855 h3.05
  text ".DocNumberPCB" at -203.722,-231.134 h5.08
  text ".Rev" at -314.847,-232.404 h5.08
  text "2" at -314.847,-237.484 h2.54
  text "SHEET 2 OF" at -283.858,-238.128 h2.54
  text "8" at -291.733,-248.66 h5.08
  text "1" at 461.925,-248.914 h5.08
  text "4" at 138.123,-249.908 h5.08
  text "2" at 354.196,-249.908 h5.08
  text "7" at -185.797,-250.068 h5.08
  text "6" at -77.823,-250.068 h5.08
  text "5" at 30.124,-250.068 h5.08
  text "3" at 246.202,-250.068 h5.08

## Panel: embedded boards
"Spectre-Analyzer.PcbDoc" at 127,-31, 1 rows x 1 columns, spacing 63.5 x 38.1, rotation 0

## Text inside footprints (layer, text, board x,y; h text height)
J1: Mechanical 13 "PCB EDGE" at 0.078,3.075 h0.41 r270
Y1: Top Overlay "o" at 7.031,19.917 h0.25